# Altium PCB DL-5新款球锁 - 拼板-20201231.PcbDoc (part 5 of 9)
Units mm, origin at the board's own origin, x right, y up, seen from the top; angles counter-clockwise.
Board outline 55.99 x 50 mm, 4 copper layers (Top Layer, POWER, GND, Bottom Layer); 388 components, 70 nets, 1224 pads, 536 vias.
Unrouted connection lines stored in the file: 276.
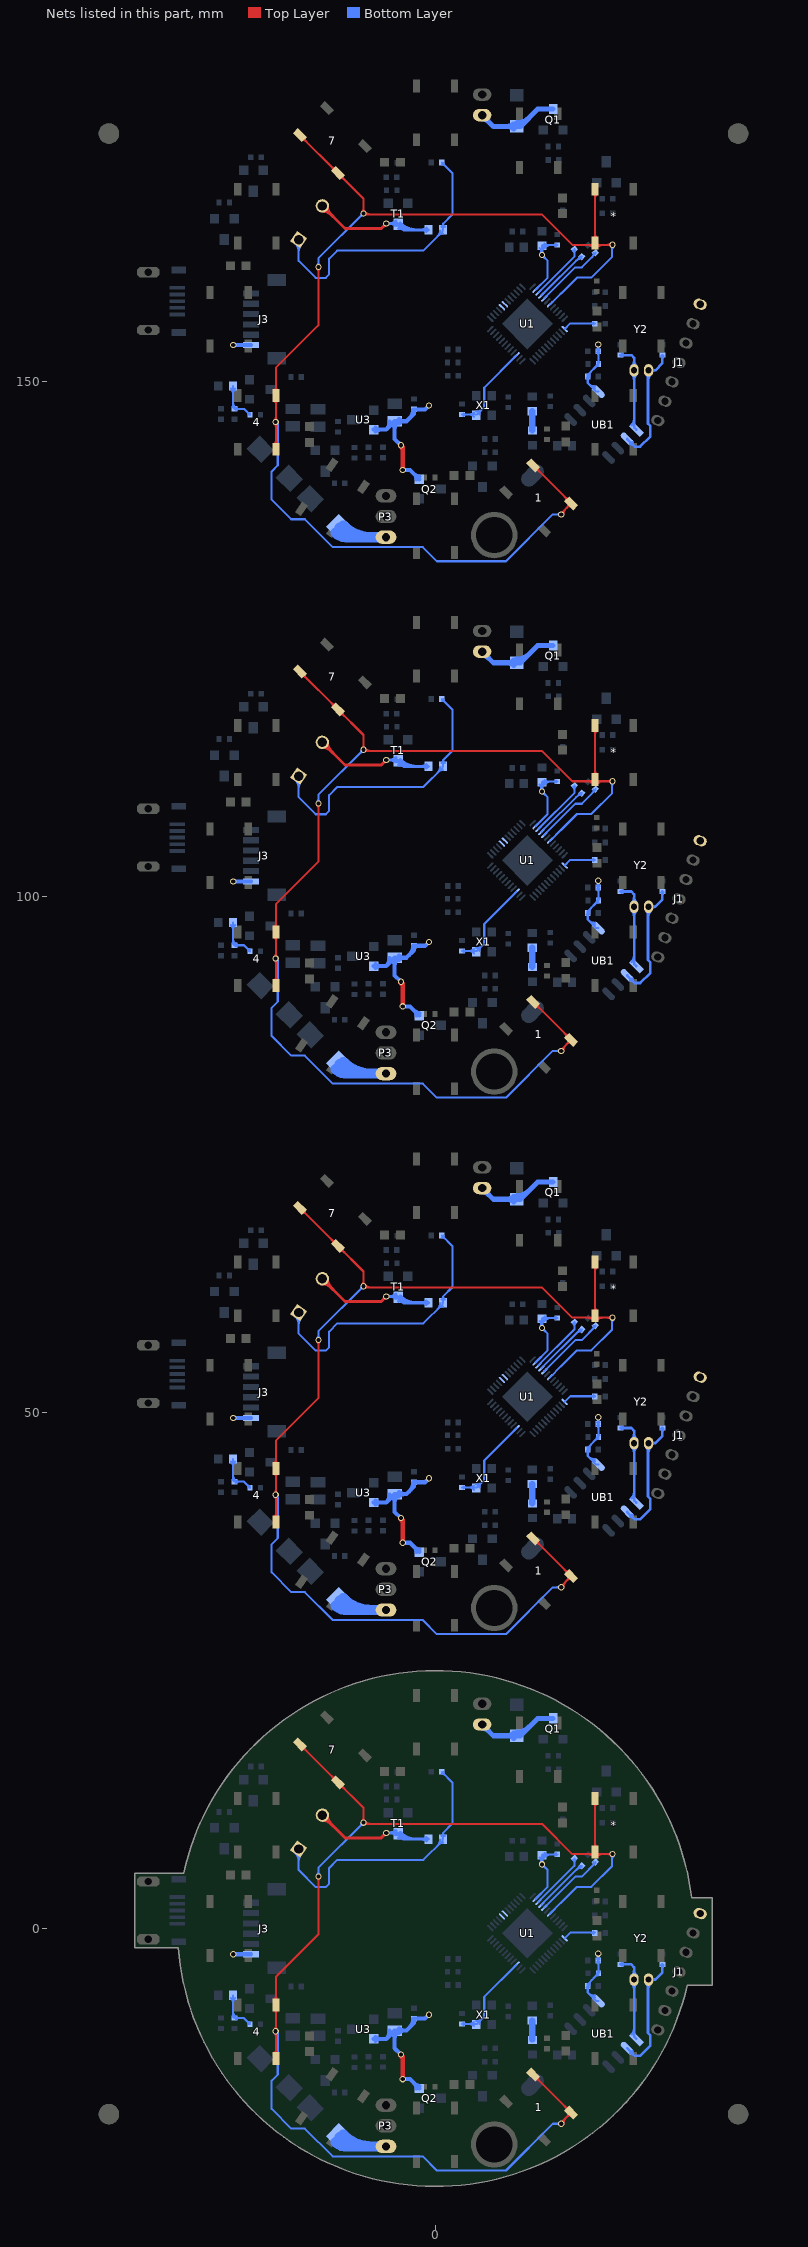
[diagram p7: the nets of this part, all layers, seen from the top]

## Via types
v1: diameter 0.6, hole 0.4, Top Layer to Bottom Layer, 440 vias
v2: diameter 0.6, hole 0.4, Top Layer to Bottom Layer, tented both sides, 48 vias
v3: diameter 0.61, hole 0.406, Top Layer to Bottom Layer, 24 vias
v4: diameter 0.61, hole 0.4, Top Layer to Bottom Layer, 16 vias
v5: diameter 0.61, hole 0.406, Top Layer to Bottom Layer, tented both sides, 8 vias

## Nets (pads, with @x,y where several pads share a name; then routed paths per layer and width w, separated by ;. In a path a pad name is that pad's centre, name@x,y a point inside that pad or via, vN(x,y) a via of type N, cw(c..) or ccw(c..) an arc to the next point about the centre after c; other vN are vias at no path point) (continued)
KEYY_3: 1.1 4.1 7.1 *.1 U1.31 | length 582
  Top Layer w0.2: 4.1@-15.65,-12.148 ccw(c-16.077,-11.721) -15.473,-11.721 ccw(c-14.87,-11.721) 4.1@-15.297,-12.148 ; 4.1@-15.65,-7.852 cw(c-16.077,-8.279) -15.473,-8.279 cw(c-14.87,-8.279) 4.1@-15.297,-7.852 ; 4.1@-15.65,-6.948 ccw(c-16.077,-6.521) -15.473,-6.521 ccw(c-14.87,-6.521) 4.1@-15.297,-6.948 ; 4.1@-15.65,39.852 ccw(c-16.077,40.279) -15.473,40.279 ccw(c-14.87,40.279) 4.1@-15.297,39.852 ; 4.1@-15.65,44.148 cw(c-16.077,43.721) -15.473,43.721 cw(c-14.87,43.721) 4.1@-15.297,44.148 ; 4.1@-15.65,45.052 ccw(c-16.077,45.479) -15.473,45.479 ccw(c-14.87,45.479) 4.1@-15.297,45.052 ; 4.1@-15.65,91.852 ccw(c-16.077,92.279) -15.473,92.279 ccw(c-14.87,92.279) 4.1@-15.297,91.852 ; 4.1@-15.65,96.148 cw(c-16.077,95.721) -15.473,95.721 cw(c-14.87,95.721) 4.1@-15.297,96.148 ; 4.1@-15.65,97.052 ccw(c-16.077,97.479) -15.473,97.479 ccw(c-14.87,97.479) 4.1@-15.297,97.052 ; 4.1@-15.65,143.852 ccw(c-16.077,144.279) -15.473,144.279 ccw(c-14.87,144.279) 4.1@-15.297,143.852 ; 4.1@-15.65,148.148 cw(c-16.077,147.721) -15.473,147.721 cw(c-14.87,147.721) 4.1@-15.297,148.148 ; 4.1@-15.65,149.052 ccw(c-16.077,149.479) -15.473,149.479 ccw(c-14.87,149.479) 4.1@-15.297,149.052 ; v1@-15.64,-10.098 cw(c-16.041,-10.5) -15.473,-10.5 ; v1@-15.64,-9.815 ccw(c-16.041,-9.414) -15.473,-9.414 ; v1@-15.64,41.902 cw(c-16.041,41.5) -15.473,41.5 ; v1@-15.64,42.185 ccw(c-16.041,42.586) -15.473,42.586 ; v1@-15.64,93.902 cw(c-16.041,93.5) -15.473,93.5 ; v1@-15.64,94.185 ccw(c-16.041,94.586) -15.473,94.586 ; v1@-15.64,145.902 cw(c-16.041,145.5) -15.473,145.5 ; v1@-15.64,146.185 ccw(c-16.041,146.586) -15.473,146.586 ; v1(-15.498,-9.957) v1@-15.473,-9.957 ; v1(-15.498,42.043) v1@-15.473,42.043 ; v1(-15.498,94.043) v1@-15.473,94.043 ; v1(-15.498,146.043) v1@-15.473,146.043 ; 4.1@-15.473,-12.6 v1@-15.473,-9.957 ; -15.473,-10.379 cw(c-15.076,-10.379) v1@-15.357,-10.098 ; -15.473,-9.534 ccw(c-15.076,-9.534) v1@-15.357,-9.815 ; 4.1@-15.473,39.4 v1@-15.473,42.043 ; -15.473,41.621 cw(c-15.076,41.621) v1@-15.357,41.902 ; -15.473,42.466 ccw(c-15.076,42.466) v1@-15.357,42.185 ; 4.1@-15.473,91.4 v1@-15.473,94.043 ; -15.473,93.621 cw(c-15.076,93.621) v1@-15.357,93.902 ; -15.473,94.466 ccw(c-15.076,94.466) v1@-15.357,94.185 ; 4.1@-15.473,143.4 v1@-15.473,146.043 ; -15.473,145.621 cw(c-15.076,145.621) v1@-15.357,145.902 ; -15.473,146.466 ccw(c-15.076,146.466) v1@-15.357,146.185 ; 7.1@-13.15,17.851 7.1@-9.473,14.174 -6.989,11.691 v1(-6.989,10.262) ; 7.1@-13.15,69.851 7.1@-9.473,66.174 -6.989,63.691 v1(-6.989,62.262) ; 7.1@-13.15,121.851 7.1@-9.473,118.174 -6.989,115.691 v1(-6.989,114.262) ; 7.1@-13.15,173.851 7.1@-9.473,170.174 -6.989,167.691 v1(-6.989,166.262) ; 7.1@-12.955,17.407 cw(c-12.955,16.803) -12.529,17.23 cw(c-12.102,17.657) 7.1@-12.705,17.657 ; 7.1@-12.955,69.407 cw(c-12.955,68.803) -12.529,69.23 cw(c-12.102,69.657) 7.1@-12.705,69.657 ; 7.1@-12.955,121.407 cw(c-12.955,120.803) -12.529,121.23 cw(c-12.102,121.657) 7.1@-12.705,121.657 ; 7.1@-12.955,173.407 cw(c-12.955,172.803) -12.529,173.23 cw(c-12.102,173.657) 7.1@-12.705,173.657 ; v1@-11.5,4.913 cw(c-11.841,4.572) -11.358,4.572 cw(c-10.875,4.572) v1@-11.217,4.913 ; v1@-11.5,56.913 cw(c-11.841,56.572) -11.358,56.572 cw(c-10.875,56.572) v1@-11.217,56.913 ; v1@-11.5,108.913 cw(c-11.841,108.572) -11.358,108.572 cw(c-10.875,108.572) v1@-11.217,108.913 ; v1@-11.5,160.913 cw(c-11.841,160.572) -11.358,160.572 cw(c-10.875,160.572) v1@-11.217,160.913 ; v1(-11.358,5.055) -11.358,-0.584 -15.473,-4.699 4.1@-15.473,-7.4 v1@-15.473,-9.957 ; v1(-11.358,57.055) -11.358,51.416 -15.473,47.301 4.1@-15.473,44.6 v1@-15.473,42.043 ; v1(-11.358,109.055) -11.358,103.416 -15.473,99.301 4.1@-15.473,96.6 v1@-15.473,94.043 ; v1(-11.358,161.055) -11.358,155.416 -15.473,151.301 4.1@-15.473,148.6 v1@-15.473,146.043 ; 7.1@-9.917,14.369 ccw(c-10.521,14.369) -10.094,14.796 ccw(c-9.667,15.222) 7.1@-9.667,14.619 ; 7.1@-9.917,66.369 ccw(c-10.521,66.369) -10.094,66.796 ccw(c-9.667,67.222) 7.1@-9.667,66.619 ; 7.1@-9.917,118.369 ccw(c-10.521,118.369) -10.094,118.796 ccw(c-9.667,119.222) 7.1@-9.667,118.619 ; 7.1@-9.917,170.369 ccw(c-10.521,170.369) -10.094,170.796 ccw(c-9.667,171.222) 7.1@-9.667,170.619 ; 7.1@-9.279,13.73 cw(c-9.279,13.126) -8.852,13.553 cw(c-8.425,13.98) 7.1@-9.029,13.98 ; 7.1@-9.279,65.73 cw(c-9.279,65.126) -8.852,65.553 cw(c-8.425,65.98) 7.1@-9.029,65.98 ; 7.1@-9.279,117.73 cw(c-9.279,117.126) -8.852,117.553 cw(c-8.425,117.98) 7.1@-9.029,117.98 ; 7.1@-9.279,169.73 cw(c-9.279,169.126) -8.852,169.553 cw(c-8.425,169.98) 7.1@-9.029,169.98 ; v1@-7.131,10.403 ccw(c-7.472,10.744) -6.989,10.744 ccw(c-6.506,10.744) -6.848,10.403 ccw(c-6.192,11.059) -6.192,10.131 ; v1@-7.131,62.403 ccw(c-7.472,62.744) -6.989,62.744 ccw(c-6.506,62.744) -6.848,62.403 ccw(c-6.192,63.059) -6.192,62.131 ; v1@-7.131,114.403 ccw(c-7.472,114.744) -6.989,114.744 ccw(c-6.506,114.744) -6.848,114.403 ccw(c-6.192,115.059) -6.192,114.131 ; v1@-7.131,166.403 ccw(c-7.472,166.744) -6.989,166.744 ccw(c-6.506,166.744) -6.848,166.403 ccw(c-6.192,167.059) -6.192,166.131 ; -6.675,10.131 cw(c-6.675,10.576) v1(-6.989,10.262) ; -6.675,62.131 cw(c-6.675,62.576) v1(-6.989,62.262) ; -6.675,114.131 cw(c-6.675,114.576) v1(-6.989,114.262) ; -6.675,166.131 cw(c-6.675,166.576) v1(-6.989,166.262) ; 1.1@9.466,-14.174 1.1@13.143,-17.851 12.188,-18.807 v1(12.188,-18.923) ; 1.1@9.466,37.826 1.1@13.143,34.149 12.188,33.193 v1(12.188,33.077) ; 1.1@9.466,89.826 1.1@13.143,86.149 12.188,85.193 v1(12.188,85.077) ; 1.1@9.466,141.826 1.1@13.143,138.149 12.188,137.193 v1(12.188,137.077) ; 1.1@9.661,-14.619 cw(c9.661,-15.222) 10.088,-14.796 cw(c10.514,-14.369) 1.1@9.911,-14.369 ; 1.1@9.661,37.381 cw(c9.661,36.778) 10.088,37.204 cw(c10.514,37.631) 1.1@9.911,37.631 ; 1.1@9.661,89.381 cw(c9.661,88.778) 10.088,89.204 cw(c10.514,89.631) 1.1@9.911,89.631 ; 1.1@9.661,141.381 cw(c9.661,140.778) 10.088,141.204 cw(c10.514,141.631) 1.1@9.911,141.631 ; v1@12.388,-18.923 cw(c13.151,-18.923) 12.611,-18.383 ; v1@12.388,33.077 cw(c13.151,33.077) 12.611,33.617 ; v1@12.388,85.077 cw(c13.151,85.077) 12.611,85.617 ; v1@12.388,137.077 cw(c13.151,137.077) 12.611,137.617 ; 1.1@12.699,-17.657 ccw(c12.095,-17.657) 12.522,-17.23 ccw(c12.949,-16.803) 1.1@12.949,-17.407 ; 1.1@12.699,34.343 ccw(c12.095,34.343) 12.522,34.77 ccw(c12.949,35.197) 1.1@12.949,34.593 ; 1.1@12.699,86.343 ccw(c12.095,86.343) 12.522,86.77 ccw(c12.949,87.197) 1.1@12.949,86.593 ; 1.1@12.699,138.343 ccw(c12.095,138.343) 12.522,138.77 ccw(c12.949,139.197) 1.1@12.949,138.593 ; 1.1@12.893,-17.851 cw(c12.29,-17.851) 12.717,-18.278 cw(c13.143,-18.705) 1.1@13.143,-18.101 ; 1.1@12.893,34.149 cw(c12.29,34.149) 12.717,33.722 cw(c13.143,33.295) 1.1@13.143,33.899 ; 1.1@12.893,86.149 cw(c12.29,86.149) 12.717,85.722 cw(c13.143,85.295) 1.1@13.143,85.899 ; 1.1@12.893,138.149 cw(c12.29,138.149) 12.717,137.722 cw(c13.143,137.295) 1.1@13.143,137.899 ; 14.65,7.214 cw(c14.65,6.308) *.1@15.291,6.948 ; 14.65,59.214 cw(c14.65,58.308) *.1@15.291,58.948 ; 14.65,111.214 cw(c14.65,110.308) *.1@15.291,110.948 ; 14.65,163.214 cw(c14.65,162.308) *.1@15.291,162.948 ; 15.078,7.214 ccw(c15.078,7.515) *.1@15.291,7.302 ; 15.078,59.214 ccw(c15.078,59.515) *.1@15.291,59.302 ; 15.078,111.214 ccw(c15.078,111.515) *.1@15.291,111.302 ; 15.078,163.214 ccw(c15.078,163.515) *.1@15.291,163.302 ; *.1@15.291,7.852 ccw(c14.864,8.279) 15.468,8.279 ccw(c16.071,8.279) *.1@15.644,7.852 ; *.1@15.291,12.148 cw(c14.864,11.721) 15.468,11.721 cw(c16.071,11.721) *.1@15.644,12.148 ; *.1@15.291,59.852 ccw(c14.864,60.279) 15.468,60.279 ccw(c16.071,60.279) *.1@15.644,59.852 ; *.1@15.291,64.148 cw(c14.864,63.721) 15.468,63.721 cw(c16.071,63.721) *.1@15.644,64.148 ; *.1@15.291,111.852 ccw(c14.864,112.279) 15.468,112.279 ccw(c16.071,112.279) *.1@15.644,111.852 ; *.1@15.291,116.148 cw(c14.864,115.721) 15.468,115.721 cw(c16.071,115.721) *.1@15.644,116.148 ; *.1@15.291,163.852 ccw(c14.864,164.279) 15.468,164.279 ccw(c16.071,164.279) *.1@15.644,163.852 ; *.1@15.291,168.148 cw(c14.864,167.721) 15.468,167.721 cw(c16.071,167.721) *.1@15.644,168.148 ; *.1@15.468,7.4 *.1@15.468,12.6 ; *.1@15.468,59.4 *.1@15.468,64.6 ; *.1@15.468,111.4 *.1@15.468,116.6 ; *.1@15.468,163.4 *.1@15.468,168.6 ; *.1@15.644,7.302 ccw(c15.857,7.515) 15.857,7.214 ; *.1@15.644,59.302 ccw(c15.857,59.515) 15.857,59.214 ; *.1@15.644,111.302 ccw(c15.857,111.515) 15.857,111.214 ; *.1@15.644,163.302 ccw(c15.857,163.515) 15.857,163.214 ; *.1@15.644,6.948 cw(c16.285,6.308) 16.285,7.214 ; *.1@15.644,58.948 cw(c16.285,58.308) 16.285,59.214 ; *.1@15.644,110.948 cw(c16.285,110.308) 16.285,111.214 ; *.1@15.644,162.948 cw(c16.285,162.308) 16.285,163.214 ; v1@16.999,7.072 ccw(c16.658,6.731) 16.658,7.214 ccw(c16.658,7.696) v1@16.999,7.355 ; v1@16.999,59.072 ccw(c16.658,58.731) 16.658,59.214 ccw(c16.658,59.696) v1@16.999,59.355 ; v1@16.999,111.072 ccw(c16.658,110.731) 16.658,111.214 ccw(c16.658,111.696) v1@16.999,111.355 ; v1@16.999,163.072 ccw(c16.658,162.731) 16.658,163.214 ccw(c16.658,163.696) v1@16.999,163.355 ; v1(17.141,7.214) 13.254,7.214 10.337,10.131 -6.859,10.131 v1(-6.989,10.262) ; v1(17.141,59.214) 13.254,59.214 10.337,62.131 -6.859,62.131 v1(-6.989,62.262) ; v1(17.141,111.214) 13.254,111.214 10.337,114.131 -6.859,114.131 v1(-6.989,114.262) ; v1(17.141,163.214) 13.254,163.214 10.337,166.131 -6.859,166.131 v1(-6.989,166.262)
  Bottom Layer w0.2: v1@-15.64,-10.098 cw(c-16.472,-10.93) -15.295,-10.93 ; v1@-15.64,41.902 cw(c-16.472,41.07) -15.295,41.07 ; v1@-15.64,93.902 cw(c-16.472,93.07) -15.295,93.07 ; v1@-15.64,145.902 cw(c-16.472,145.07) -15.295,145.07 ; -15.295,-10.447 ccw(c-15.989,-10.447) v1(-15.498,-9.957) -15.295,-10.16 -15.295,-14.157 -15.897,-14.76 -15.897,-17.483 -13.987,-19.393 -12.666,-19.393 -9.965,-22.094 -1.242,-22.094 0.123,-23.459 6.828,-23.459 11.364,-18.923 v1(12.188,-18.923) ; -15.295,41.553 ccw(c-15.989,41.553) v1(-15.498,42.043) -15.295,41.84 -15.295,37.843 -15.897,37.24 -15.897,34.517 -13.987,32.607 -12.666,32.607 -9.965,29.906 -1.242,29.906 0.123,28.541 6.828,28.541 11.364,33.077 v1(12.188,33.077) ; -15.295,93.553 ccw(c-15.989,93.553) v1(-15.498,94.043) -15.295,93.84 -15.295,89.843 -15.897,89.24 -15.897,86.517 -13.987,84.607 -12.666,84.607 -9.965,81.906 -1.242,81.906 0.123,80.541 6.828,80.541 11.364,85.077 v1(12.188,85.077) ; -15.295,145.553 ccw(c-15.989,145.553) v1(-15.498,146.043) -15.295,145.84 -15.295,141.843 -15.897,141.24 -15.897,138.517 -13.987,136.607 -12.666,136.607 -9.965,133.906 -1.242,133.906 0.123,132.541 6.828,132.541 11.364,137.077 v1(12.188,137.077) ; v1@-11.5,5.196 ccw(c-11.841,5.537) -11.358,5.537 ccw(c-10.875,5.537) v1@-11.217,5.196 ; v1@-11.5,57.196 ccw(c-11.841,57.537) -11.358,57.537 ccw(c-10.875,57.537) v1@-11.217,57.196 ; v1@-11.5,109.196 ccw(c-11.841,109.537) -11.358,109.537 ccw(c-10.875,109.537) v1@-11.217,109.196 ; v1@-11.5,161.196 ccw(c-11.841,161.537) -11.358,161.537 ccw(c-10.875,161.537) v1@-11.217,161.196 ; v1(-11.358,5.055) -11.358,5.893 v1(-6.989,10.262) ; v1(-11.358,57.055) -11.358,57.893 v1(-6.989,62.262) ; v1(-11.358,109.055) -11.358,109.893 v1(-6.989,114.262) ; v1(-11.358,161.055) -11.358,161.893 v1(-6.989,166.262) ; v1@-7.189,10.262 cw(c-7.672,10.262) -7.331,9.92 cw(c-6.989,9.579) v1@-6.989,10.062 ; v1@-7.189,62.262 cw(c-7.672,62.262) -7.331,61.92 cw(c-6.989,61.579) v1@-6.989,62.062 ; v1@-7.189,114.262 cw(c-7.672,114.262) -7.331,113.92 cw(c-6.989,113.579) v1@-6.989,114.062 ; v1@-7.189,166.262 cw(c-7.672,166.262) -7.331,165.92 cw(c-6.989,165.579) v1@-6.989,166.062 ; U1.31@11.103,1.424 U1.31@11.103,1.452 12.137,2.486 12.159,2.486 13.712,4.039 15.091,4.039 17.115,6.063 17.115,7.188 v1(17.141,7.214) ; U1.31@11.103,53.424 U1.31@11.103,53.452 12.137,54.486 12.159,54.486 13.712,56.039 15.091,56.039 17.115,58.063 17.115,59.188 v1(17.141,59.214) ; U1.31@11.103,105.424 U1.31@11.103,105.452 12.137,106.486 12.159,106.486 13.712,108.039 15.091,108.039 17.115,110.063 17.115,111.188 v1(17.141,111.214) ; U1.31@11.103,157.424 U1.31@11.103,157.452 12.137,158.486 12.159,158.486 13.712,160.039 15.091,160.039 17.115,162.063 17.115,163.188 v1(17.141,163.214) ; v1@12.046,-19.064 ccw(c11.705,-19.406) 11.705,-18.923 ccw(c11.705,-18.44) v1@12.046,-18.782 ; v1@12.046,32.936 ccw(c11.705,32.594) 11.705,33.077 ccw(c11.705,33.56) v1@12.046,33.218 ; v1@12.046,84.936 ccw(c11.705,84.594) 11.705,85.077 ccw(c11.705,85.56) v1@12.046,85.218 ; v1@12.046,136.936 ccw(c11.705,136.594) 11.705,137.077 ccw(c11.705,137.56) v1@12.046,137.218 ; v1@16.999,7.072 cw(c16.719,6.792) 17.115,6.792 ; v1@16.999,59.072 cw(c16.719,58.792) 17.115,58.792 ; v1@16.999,111.072 cw(c16.719,110.792) 17.115,110.792 ; v1@16.999,163.072 cw(c16.719,162.792) 17.115,162.792 ; 17.115,6.669 cw(c17.685,6.669) v1@17.282,7.072 ; 17.115,58.669 cw(c17.685,58.669) v1@17.282,59.072 ; 17.115,110.669 cw(c17.685,110.669) v1@17.282,111.072 ; 17.115,162.669 cw(c17.685,162.669) v1@17.282,163.072
LED_GREEN: U1.17
LED_RED: U1.18
M3V3: C4.1 C5.1 C39.1 C41.1 C42.1 J1.1 J3.1 Q2.S R5.2 R8.2 U1.26 U3.2 UB1.8 | length 185.5
  Top Layer w0.4: v2@-3.428,-12.288 cw(c-4.028,-12.888) -3.179,-12.888 ; v2@-3.428,39.712 cw(c-4.028,39.112) -3.179,39.112 ; v2@-3.428,91.712 cw(c-4.028,91.112) -3.179,91.112 ; v2@-3.428,143.712 cw(c-4.028,143.112) -3.179,143.112 ; v2(-3.357,-12.217) -3.179,-12.395 v2(-3.179,-14.605) ; v2(-3.357,39.783) -3.179,39.605 v2(-3.179,37.395) ; v2(-3.357,91.783) -3.179,91.605 v2(-3.179,89.395) ; v2(-3.357,143.783) -3.179,143.605 v2(-3.179,141.395)
  Bottom Layer w0.2: J3.1@-18.019,-2.515 J3.1@-18.004,-2.5 ; J3.1@-18.019,49.485 J3.1@-18.004,49.5 ; J3.1@-18.019,101.485 J3.1@-18.004,101.5 ; J3.1@-18.019,153.485 J3.1@-18.004,153.5 ; U1.26@9.689,2.866 10.861,4.039 10.861,5.67 v1(10.308,6.223) C41.1@10.308,7.112 10.384,7.188 C42.1@11.807,7.188 ; U1.26@9.689,54.866 10.861,56.039 10.861,57.67 v1(10.308,58.223) C41.1@10.308,59.112 10.384,59.188 C42.1@11.807,59.188 ; U1.26@9.689,106.866 10.861,108.039 10.861,109.67 v1(10.308,110.223) C41.1@10.308,111.112 10.384,111.188 C42.1@11.807,111.188 ; U1.26@9.689,158.866 10.861,160.039 10.861,161.67 v1(10.308,162.223) C41.1@10.308,163.112 10.384,163.188 C42.1@11.807,163.188 ; C41.1@10.096,6.9 cw(c9.584,6.388) 10.308,6.388 cw(c11.032,6.388) C41.1@10.52,6.9 ; C41.1@10.096,58.9 cw(c9.584,58.388) 10.308,58.388 cw(c11.032,58.388) C41.1@10.52,58.9 ; C41.1@10.096,110.9 cw(c9.584,110.388) 10.308,110.388 cw(c11.032,110.388) C41.1@10.52,110.9 ; C41.1@10.096,162.9 cw(c9.584,162.388) 10.308,162.388 cw(c11.032,162.388) C41.1@10.52,162.9 ; v1@10.156,6.353 ccw(c9.885,6.586) 10.23,6.679 ; v1@10.156,58.353 ccw(c9.885,58.586) 10.23,58.679 ; v1@10.156,110.353 ccw(c9.885,110.586) 10.23,110.679 ; v1@10.156,162.353 ccw(c9.885,162.586) 10.23,162.679 ; v1@10.167,6.364 ccw(c9.825,6.706) 10.308,6.706 ccw(c10.791,6.706) v1@10.45,6.364 ; v1@10.167,58.364 ccw(c9.825,58.706) 10.308,58.706 ccw(c10.791,58.706) v1@10.45,58.364 ; v1@10.167,110.364 ccw(c9.825,110.706) 10.308,110.706 ccw(c10.791,110.706) v1@10.45,110.364 ; v1@10.167,162.364 ccw(c9.825,162.706) 10.308,162.706 ccw(c10.791,162.706) v1@10.45,162.364 ; v1@10.208,6.396 ccw(c10.039,6.688) 10.365,6.601 ; v1@10.208,58.396 ccw(c10.039,58.688) 10.365,58.601 ; v1@10.208,110.396 ccw(c10.039,110.688) 10.365,110.601 ; v1@10.208,162.396 ccw(c10.039,162.688) 10.365,162.601 ; 10.251,6.601 ccw(c10.577,6.688) v1@10.408,6.396 ; 10.251,58.601 ccw(c10.577,58.688) v1@10.408,58.396 ; 10.251,110.601 ccw(c10.577,110.688) v1@10.408,110.396 ; 10.251,162.601 ccw(c10.577,162.688) v1@10.408,162.396 ; v1@10.308,6.023 cw(c10.308,5.54) 10.65,5.882 cw(c10.991,6.223) v1@10.508,6.223 ; v1@10.308,58.023 cw(c10.308,57.54) 10.65,57.882 cw(c10.991,58.223) v1@10.508,58.223 ; v1@10.308,110.023 cw(c10.308,109.54) 10.65,109.882 cw(c10.991,110.223) v1@10.508,110.223 ; v1@10.308,162.023 cw(c10.308,161.54) 10.65,161.882 cw(c10.991,162.223) v1@10.508,162.223 ; 10.386,6.679 ccw(c10.731,6.586) v1@10.46,6.353 ; 10.386,58.679 ccw(c10.731,58.586) v1@10.46,58.353 ; 10.386,110.679 ccw(c10.731,110.586) v1@10.46,110.353 ; 10.386,162.679 ccw(c10.731,162.586) v1@10.46,162.353 ; C41.1@10.429,7.041 cw(c10.783,6.687) 10.783,7.188 ; C41.1@10.429,59.041 cw(c10.783,58.687) 10.783,59.188 ; C41.1@10.429,111.041 cw(c10.783,110.687) 10.783,111.188 ; C41.1@10.429,163.041 cw(c10.783,162.687) 10.783,163.188 ; C41.1@10.57,6.9 cw(c11.266,6.204) 11.266,7.188 ; C41.1@10.57,7.324 ccw(c10.898,7.652) 10.898,7.188 ; C41.1@10.57,58.9 cw(c11.266,58.204) 11.266,59.188 ; C41.1@10.57,59.324 ccw(c10.898,59.652) 10.898,59.188 ; C41.1@10.57,110.9 cw(c11.266,110.204) 11.266,111.188 ; C41.1@10.57,111.324 ccw(c10.898,111.652) 10.898,111.188 ; C41.1@10.57,162.9 cw(c11.266,162.204) 11.266,163.188 ; C41.1@10.57,163.324 ccw(c10.898,163.652) 10.898,163.188 ; C42.1@11.672,7.079 ccw(c11.409,6.816) 11.409,7.188 ccw(c11.409,7.56) C42.1@11.672,7.297 ; C42.1@11.672,59.079 ccw(c11.409,58.816) 11.409,59.188 ccw(c11.409,59.56) C42.1@11.672,59.297 ; C42.1@11.672,111.079 ccw(c11.409,110.816) 11.409,111.188 ccw(c11.409,111.56) C42.1@11.672,111.297 ; C42.1@11.672,163.079 ccw(c11.409,162.816) 11.409,163.188 ccw(c11.409,163.56) C42.1@11.672,163.297 ; C39.1@14.644,-5.697 cw(c14.381,-5.96) 14.753,-5.96 cw(c15.125,-5.96) C39.1@14.862,-5.697 ; C39.1@14.644,46.303 cw(c14.381,46.04) 14.753,46.04 cw(c15.125,46.04) C39.1@14.862,46.303 ; C39.1@14.644,98.303 cw(c14.381,98.04) 14.753,98.04 cw(c15.125,98.04) C39.1@14.862,98.303 ; C39.1@14.644,150.303 cw(c14.381,150.04) 14.753,150.04 cw(c15.125,150.04) C39.1@14.862,150.303 ; 14.776,-6.221 ccw(c15.467,-5.53) UB1.8@15.467,-6.507 ; 14.776,45.779 ccw(c15.467,46.47) UB1.8@15.467,45.493 ; 14.776,97.779 ccw(c15.467,98.47) UB1.8@15.467,97.493 ; 14.776,149.779 ccw(c15.467,150.47) UB1.8@15.467,149.493 ; C39.1@14.907,-5.537 cw(c15.647,-5.537) 15.124,-5.014 ; C39.1@14.907,46.463 cw(c15.647,46.463) 15.124,46.986 ; C39.1@14.907,98.463 cw(c15.647,98.463) 15.124,98.986 ; C39.1@14.907,150.463 cw(c15.647,150.463) 15.124,150.986 ; 15.118,-6.562 ccw(c15.467,-6.212) UB1.8@15.467,-6.707 ; 15.118,45.438 ccw(c15.467,45.788) UB1.8@15.467,45.293 ; 15.118,97.438 ccw(c15.467,97.788) UB1.8@15.467,97.293 ; 15.118,149.438 ccw(c15.467,149.788) UB1.8@15.467,149.293 ; 15.488,-4.65 cw(c15.794,-4.956) R8.2@15.794,-4.523 ; 15.488,47.35 cw(c15.794,47.044) R8.2@15.794,47.477 ; 15.488,99.35 cw(c15.794,99.044) R8.2@15.794,99.477 ; 15.488,151.35 cw(c15.794,151.044) R8.2@15.794,151.477 ; R8.2@15.55,-4.588 ccw(c15.33,-4.369) R8.2@15.64,-4.369 ; R8.2@15.55,47.412 ccw(c15.33,47.631) R8.2@15.64,47.631 ; R8.2@15.55,99.412 ccw(c15.33,99.631) R8.2@15.64,99.631 ; R8.2@15.55,151.412 ccw(c15.33,151.631) R8.2@15.64,151.631 ; v1@15.628,-2.58 cw(c15.286,-2.921) 15.769,-2.921 cw(c16.252,-2.921) v1@15.911,-2.58 ; v1@15.628,49.42 cw(c15.286,49.079) 15.769,49.079 cw(c16.252,49.079) v1@15.911,49.42 ; v1@15.628,101.42 cw(c15.286,101.079) 15.769,101.079 cw(c16.252,101.079) v1@15.911,101.42 ; v1@15.628,153.42 cw(c15.286,153.079) 15.769,153.079 cw(c16.252,153.079) v1@15.911,153.42 ; R5.2@15.66,-3.233 cw(c15.336,-3.557) 15.794,-3.557 ; R5.2@15.66,-2.965 ccw(c15.397,-2.702) 15.769,-2.702 ccw(c16.141,-2.702) R5.2@15.878,-2.965 ; R5.2@15.66,48.767 cw(c15.336,48.443) 15.794,48.443 ; R5.2@15.66,49.035 ccw(c15.397,49.298) 15.769,49.298 ccw(c16.141,49.298) R5.2@15.878,49.035 ; R5.2@15.66,100.767 cw(c15.336,100.443) 15.794,100.443 ; R5.2@15.66,101.035 ccw(c15.397,101.298) 15.769,101.298 ccw(c16.141,101.298) R5.2@15.878,101.035 ; R5.2@15.66,152.767 cw(c15.336,152.443) 15.794,152.443 ; R5.2@15.66,153.036 ccw(c15.397,153.298) 15.769,153.298 ccw(c16.141,153.298) R5.2@15.878,153.036 ; v1@15.669,-2.612 cw(c15.544,-2.828) 15.786,-2.764 ; v1@15.669,49.388 cw(c15.544,49.172) 15.786,49.236 ; v1@15.669,101.388 cw(c15.544,101.172) 15.786,101.236 ; v1@15.669,153.388 cw(c15.544,153.172) 15.786,153.236 ; v1@15.68,-2.617 cw(c15.619,-2.738) 15.75,-2.774 ; v1@15.68,49.383 cw(c15.619,49.262) 15.75,49.226 ; v1@15.68,101.383 cw(c15.619,101.262) 15.75,101.226 ; v1@15.68,153.383 cw(c15.619,153.262) 15.75,153.226 ; R8.2@15.686,-4.209 ccw(c15.423,-3.946) 15.794,-3.946 ccw(c16.166,-3.946) R8.2@15.903,-4.209 ; R8.2@15.686,47.791 ccw(c15.423,48.054) 15.794,48.054 ccw(c16.166,48.054) R8.2@15.903,47.791 ; R8.2@15.686,99.791 ccw(c15.423,100.054) 15.794,100.054 ccw(c16.166,100.054) R8.2@15.903,99.791 ; R8.2@15.686,151.791 ccw(c15.423,152.054) 15.794,152.054 ccw(c16.166,152.054) R8.2@15.903,151.791 ; 15.752,-2.764 cw(c15.994,-2.828) v1@15.869,-2.612 ; 15.752,49.236 cw(c15.994,49.172) v1@15.869,49.388 ; 15.752,101.236 cw(c15.994,101.172) v1@15.869,101.388 ; 15.752,153.236 cw(c15.994,153.172) v1@15.869,153.388 ; v1(15.769,-2.438) R5.2@15.769,-3.099 15.794,-3.124 R8.2@15.794,-4.343 14.753,-5.385 C39.1@14.753,-5.563 14.753,-6.198 15.581,-7.025 UB1.8@15.786,-7.025 ; v1(15.769,49.562) R5.2@15.769,48.901 15.794,48.876 R8.2@15.794,47.657 14.753,46.615 C39.1@14.753,46.437 14.753,45.802 15.581,44.975 UB1.8@15.786,44.975 ; v1(15.769,101.562) R5.2@15.769,100.901 15.794,100.876 R8.2@15.794,99.657 14.753,98.615 C39.1@14.753,98.437 14.753,97.802 15.581,96.975 UB1.8@15.786,96.975 ; v1(15.769,153.562) R5.2@15.769,152.901 15.794,152.876 R8.2@15.794,151.657 14.753,150.615 C39.1@14.753,150.437 14.753,149.802 15.581,148.975 UB1.8@15.786,148.975 ; 15.788,-2.774 cw(c15.919,-2.738) v1@15.859,-2.617 ; 15.788,49.226 cw(c15.919,49.262) v1@15.859,49.383 ; 15.788,101.226 cw(c15.919,101.262) v1@15.859,101.383 ; 15.788,153.226 cw(c15.919,153.262) v1@15.859,153.383 ; 15.794,-3.435 cw(c16.08,-3.435) R5.2@15.878,-3.233 ; 15.794,48.565 cw(c16.08,48.565) R5.2@15.878,48.767 ; 15.794,100.565 cw(c16.08,100.565) R5.2@15.878,100.767 ; 15.794,152.565 cw(c16.08,152.565) R5.2@15.878,152.767